# Allegro board F103_ADS1220_V10_240810.brd
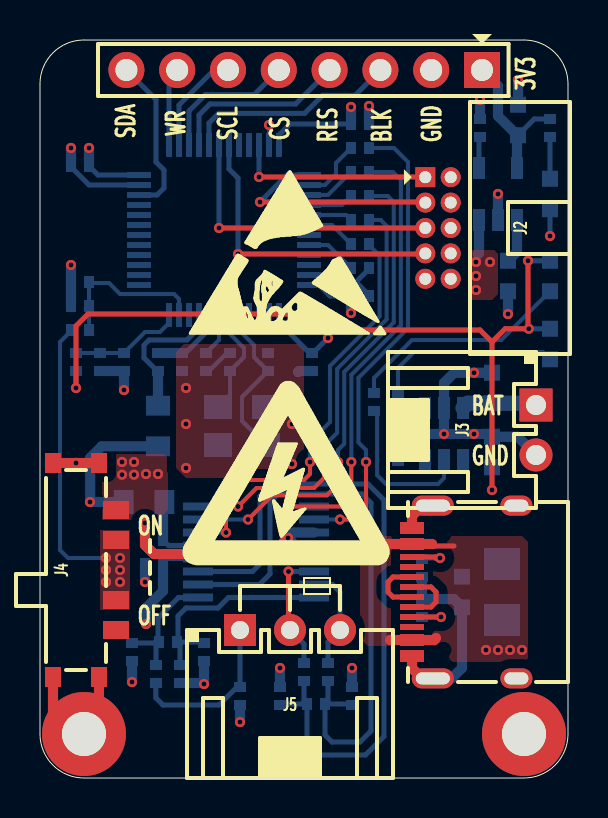
[diagram p0: board, top side]
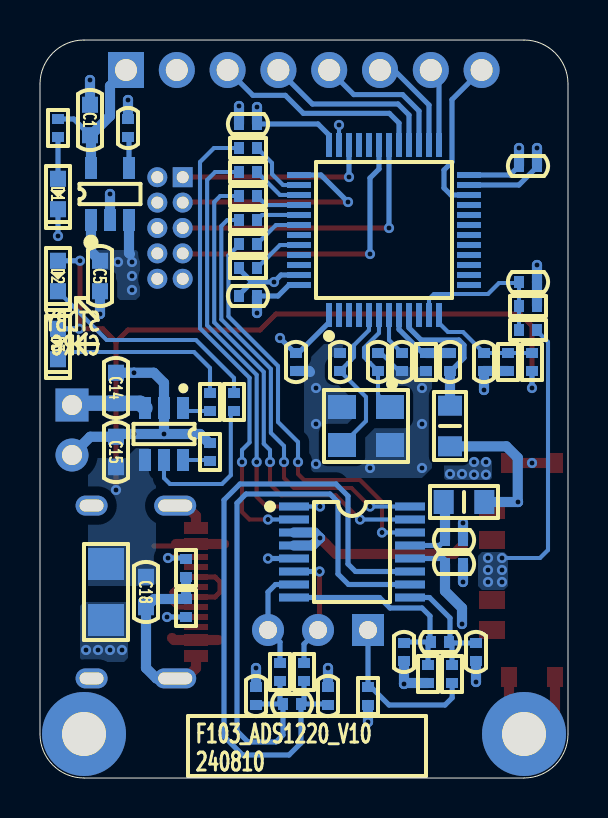
[diagram p1: board, bottom side, seen from below]

Outline 26.4 x 36.9 mm; copper layers: TOP, L02-GND, L03-VCC, BOTTOM. Coordinates in mm from the lower left corner of the outline.
Outline path: 0,34.7 arc(0.64,36.26) 2.2,36.9 24.2,36.9 arc(25.76,36.26) 26.4,34.7 26.4,2.2 arc(25.76,0.64) 24.2,0 2.2,0 arc(0.64,0.64) 0,2.2 0,34.7

## Design rules (mm)
constraint set DEFAULT: min track width 0.203, pair gap 0.203

## Placement (name value [footprint] x y rotation side)
C1  10uF_10V  [C0603]  23.9 32.9 270 bottom
C2  100nF_50V  [C0402]  16 32.7 0 bottom
C3  10nF_50V  [C0402]  22 32.5 90 bottom
C4  100nF_50V  [C0402]  2 30.6 180 bottom
C5  10uF_10V  [C0603]  23.4 25.1 90 bottom
C6  100nF_50V  [C0402]  2 24.8 180 bottom
C7  100nF_50V  [C0402]  16 24.1 0 bottom
C8  100nF_50V  [C0402]  13.6 20.8 270 bottom
C9  12pF_50V  [C0402]  11.4 20.8 270 bottom
C10  12pF_50V  [C0402]  9.5 20.8 270 bottom
C11  100nF_50V  [C0402]  8.3 20.8 90 bottom
C12  100nF_50V  [C0402]  5.9 20.8 90 bottom
C13  100nF_50V  [C0402]  4.2 20.8 270 bottom
C14  10uF_10V  [C0603]  22.6 19.5 90 bottom
C15  10uF_10V  [C0603]  22.6 16.3 90 bottom
C16  100nF_50V  [C0402]  5.7 11.9 0 bottom
C17  100nF_50V  [C0402]  5.7 10.7 0 bottom
C18  10uF_10V  [C0603]  21.1 9.3 90 bottom
C19  47nF_50V  [C0402]  6.4 6.8 180 bottom
C20  4.7nF_50V  [C0402]  8.2 6.3 90 bottom
C21  4.7nF_50V  [C0402]  4.6 6.3 270 bottom
C22  4.7nF_50V  [C0402]  15.6 4.1 90 bottom
C23  4.7nF_50V  [C0402]  12 4.1 270 bottom
C24  47nF_50V  [C0402]  13.8 3.7 0 bottom
D1  GREEN_0603/NI  [LED0603]  25.5 29.2 270 bottom
D2  GREEN_0603  [LED0603]  25.5 25.1 270 bottom
D3  GREEN_0603  [LED0603]  25.5 21.7 270 bottom
F1  JK-nSMD050-30  [FUSE1206]  23.1 9.3 270 bottom
J1  -  [CN1X8-2P54-Z]  22.1 35.4 180 top
J2  -  [DC3-10P-Z-L]  19.9 27.5 90 top
J3  -  [HX25035-2WA]  24.8 17.4 270 top
J4  -  [K3-1208S-E1]  1.8 10.4 270 top
J5  -  [HX25035-3WA]  12.5 7.4 0 top
L1  GZ2012D101TF  [L0805]  5.9 17.6 90 bottom
L2  GZ2012D101TF  [L0805]  5.2 13.8 180 bottom
MH1  HOLE-M2/NI  [HOLE4R20X2R20]  2.2 2.2 0 top
MH2  HOLE-M2/NI  [HOLE4R20X2R20]  24.2 2.2 0 top
NOREF  -  []  0 0 90 top
NOREF#2  -  []  0 0 0 top
R1  10K  [R0402]  25.5 32.5 90 bottom
R2  47R  [R0402]  16 31.5 0 bottom
R3  47R  [R0402]  16 30.3 0 bottom
R4  47R  [R0402]  16 29.1 0 bottom
R5  47R  [R0402]  16 27.9 0 bottom
R6  47R  [R0402]  16 26.7 0 bottom
R7  10K  [R0402]  16 25.5 180 bottom
R8  10K  [R0402]  2 23.6 0 bottom
R9  10K  [R0402]  2 22.4 180 bottom
R10  0R  [R0402]  7.1 20.8 90 bottom
R11  10K  [R0402]  3 20.8 90 bottom
R12  10K  [R0402]  1.8 20.8 270 bottom
R13  10K  [R0402]  17.9 18.8 90 bottom
R14  10K  [R0402]  16.7 18.8 90 bottom
R15  10K  [R0402]  17.9 16.3 270 bottom
R16  5.1K/NI  [R0402]  19.1 10.5 270 bottom
R17  5.1K  [R0402]  19.1 8.5 90 bottom
R18  6.04K  [R0402]  14.4 5.3 270 bottom
R19  6.04K  [R0402]  13.2 5.3 270 bottom
R20  4.99K  [R0402]  7 5.2 90 bottom
R21  4.99K  [R0402]  5.8 5.2 90 bottom
R22  1.62K  [R0402]  10 4.1 270 bottom
U1  SPX3819M5-L-1-2  [SOT23-5]  22.9 29.2 180 bottom
U2  STM32F103C8T6  [LQFP48-7X7X0R5]  9.2 27.4 180 bottom
U3  TP4057  [SOT23-6]  20.2 17.2 0 bottom
U4  ADS1220IPWR  [TSSOP16]  10.8 11.3 270 bottom
USB1  -  [TYPE-C-31-M-12]  18.6 9.3 90 top
X1  XL2EL89COI-111YLC-8M  [X-4P-3R2X2R5-SMD]  10.1 17.6 0 bottom

## Library data of the parts
C1-C8 C11-C24 = CAP NP
C9 C10 = CAP NP_2
D1-D3 = LED_1
F1 = FUSE
J1 = CONN RCPT 8
J2 = DC3-10P-Z-L
J3 = CONN RCPT 2
J4 = K3-1208S-E1
J5 = CONN RCPT 3
L1 L2 = IND_BEAD_0805_600OHM_200MA
MH1 MH2 = Hold_1
R1-R22 = R_Generic
U1 = SPX3819M5-L-1-2
U2 = STM32F103C8T6_1
U3 = TP4057
U4 = ADS1220IPWR
USB1 = TYPE-C_16P
X1 = TSX-3225

## Footprints (pads in the part's own frame, mm; a bottom-side part is the same pattern mirrored in y, then rotated)
C0402
  rect 0.5x0.6 smd: 1(-0.45,0) 2(0.45,0)
C0603
  rect 0.8x0.8 smd: 1(-0.762,0) 2(0.762,0)
CN1X8-2P54-Z
  rect 1.8x1.8 hole 1.1: 1(0,0)
  round 1.8 hole 1.1: 2(2.54,0) 3(5.08,0) 4(7.62,0) 5(10.16,0) 6(12.7,0) 7(15.24,0) 8(17.78,0)
DC3-10P-Z-L
  rect 1x1 hole 0.6: 1(2.54,0.635)
  round 1 hole 0.6: 2(2.54,-0.635) 3(1.27,0.635) 4(1.27,-0.635) 5(0,0.635) 6(0,-0.635) 7(-1.27,0.635) 8(-1.27,-0.635) 9(-2.54,0.635) 10(-2.54,-0.635)
FUSE1206
  rect 1.6x1.8 smd: 1(-1.4,0) 2(1.4,0)
HOLE4R20X2R20
  round 4.2 hole 2.2: 1(0,0)
HX25035-2WA
  rect 1.65x1.65 hole 1: 1(-1.25,0)
  round 1.65 hole 1: 2(1.25,0)
HX25035-3WA
  rect 1.6x1.6 hole 0.9: 1(-2.5,0)
  round 1.6 hole 0.9: 2(0,0) 3(2.5,0)
K3-1208S-E1
  rect 1x0.8 smd: 1(-5.35,1.15) 2(-5.35,-1.15) 3(5.35,-1.15) 4(5.35,1.15)
  rect 0.9x1.3 smd: 5(3,2) 6(1.5,2) 7(-1.5,2) 8(-3,2)
L0805
  rect 1x1.2 smd: 1(-1.016,0) 2(1.016,0)
LED0603
  rect 0.8x0.8 smd: 1(-0.762,0) 2(0.762,0)
LQFP48-7X7X0R5
  rect 0.3x1.2 smd: 1(-2.75,-4.25) 2(-2.25,-4.25) 3(-1.75,-4.25) 4(-1.25,-4.25) 5(-0.75,-4.25) 6(-0.25,-4.25) 7(0.25,-4.25) 8(0.75,-4.25) 9(1.25,-4.25) 10(1.75,-4.25) 11(2.25,-4.25) 12(2.75,-4.25) 25(2.75,4.25) 26(2.25,4.25) 27(1.75,4.25) 28(1.25,4.25) 29(0.75,4.25) 30(0.25,4.25) 31(-0.25,4.25) 32(-0.75,4.25) 33(-1.25,4.25) 34(-1.75,4.25) 35(-2.25,4.25) 36(-2.75,4.25)
  rect 1.2x0.3 smd: 13(4.25,-2.75) 14(4.25,-2.25) 15(4.25,-1.75) 16(4.25,-1.25) 17(4.25,-0.75) 18(4.25,-0.25) 19(4.25,0.25) 20(4.25,0.75) 21(4.25,1.25) 22(4.25,1.75) 23(4.25,2.25) 24(4.25,2.75) 37(-4.25,2.75) 38(-4.25,2.25) 39(-4.25,1.75) 40(-4.25,1.25) 41(-4.25,0.75) 42(-4.25,0.25) 43(-4.25,-0.25) 44(-4.25,-0.75) 45(-4.25,-1.25) 46(-4.25,-1.75) 47(-4.25,-2.25) 48(-4.25,-2.75)
R0402
  rect 0.5x0.6 smd: 1(-0.45,0) 2(0.45,0)
SOT23-5
  rect 0.6x1.1 smd: 1(-0.95,-1.3) 2(0,-1.3) 3(0.95,-1.3) 4(0.95,1.3) 5(-0.95,1.3)
SOT23-6
  rect 0.6x1.1 smd: 1(-0.95,-1.3) 2(0,-1.3) 3(0.95,-1.3) 4(0.95,1.3) 5(0,1.3) 6(-0.95,1.3)
TSSOP16
  rect 0.4x1.5 smd: 1(-2.275,-2.9) 2(-1.625,-2.9) 3(-0.975,-2.9) 4(-0.325,-2.9) 5(0.325,-2.9) 6(0.975,-2.9) 7(1.625,-2.9) 8(2.275,-2.9) 9(2.275,2.9) 10(1.625,2.9) 11(0.975,2.9) 12(0.325,2.9) 13(-0.325,2.9) 14(-0.975,2.9) 15(-1.625,2.9) 16(-2.275,2.9)
TYPE-C-31-M-12
  rect 0.6x1.2 smd: 1(-3.2,0) 2(-2.4,0) 11(2.4,0) 12(3.2,0)
  rect 0.3x1.2 smd: 3(-1.75,0) 4(-1.25,0) 5(-0.75,0) 6(-0.25,0) 7(0.25,0) 8(0.75,0) 9(1.25,0) 10(1.75,0)
  oval 1x2.1 hole 0.6x1.7: 13(-4.32,-1.04) 14(4.32,-1.04)
  oval 1x1.6 hole 0.6x1.2: 15(-4.32,-5.22) 16(4.32,-5.22)
X-4P-3R2X2R5-SMD
  rect 1.4x1.2 smd: 1(-1.2,-0.95) 2(1.2,-0.95) 3(1.2,0.95) 4(-1.2,0.95)

## Nets
DGND: C16.1 U4.3 U4.4
GND: C1.1 C2.2 C3.2 C4.2 C5.1 C6.2 C7.2 C8.2 C9.1 C10.1 C11.1 C13.2 C14.2 C15.2 C17.1 C18.1 C20.1 C21.2 C22.2 C23.1 D1.2(CATHODE) J1.2 J2.9 J3.2 J4.1 J4.2 J4.3 J4.4 MH1.1 MH2.1 R7.1 R8.1 R10.1 R11.1 R15.1 R16.2 R17.2 R20.1 R22.2 U1.2 U2.23 U2.35 U2.47(VSS_3) U3.2 U4.5 USB1.1 USB1.12 USB1.13 USB1.14 USB1.15 USB1.16 X1.2 X1.4
VCC_3.3V: C1.2 C2.1 C4.1 C7.1 C8.1 C17.2 J1.1 J2.10 L1.1 L2.2(B) R1.2 U1.5(VOUT) U2.1 U2.24 U2.36 U2.48 U4.12
VCC_3.3V_VDDA: C12.1 L1.2(B) U2.9
VCC_4V: C5.2 J4.8 U1.1 U1.3
VCC_5V_VBUS: C15.1 C18.2 D2.1 D3.1 F1.1 R12.2 U3.4(VCC)
VCC_BAT: C14.1 J3.1 J4.6 J4.7 R9.2 U3.3
VSSA: C12.2 R10.2 U2.8
AIN0: C23.2 C24.1 R19.2 U4.11
AIN1: C22.1 C24.2 R18.2 U4.10
AIN2: J5.2 R19.1 U4.6
AIN3: J5.3 R18.1 U4.7
BOOT0: R7.2 U2.44
NRST: C11.2 U2.7
OSC_IN: C9.2 U2.5 X1.3(OUT2)
OSC_OUT: C10.2 U2.6 X1.1
PA1/ADC_BAT: C6.1 R8.2 R9.1 U2.11
PA2/ADC_USB: C13.1 R11.2 R12.1 U2.12
PA8/BLK: J1.3 U2.29
PA9/USART1_TX: J2.5 U2.30
PA10/USART1_RX: J2.7 U2.31
PA15/SPI1_NSS: R2.1 U2.38
PB3/SPI1_SCK: R3.1 U2.39
PB4/SPI1_MISO: R4.1 U2.40
PB5/SPI1_MOSI: R5.1 U2.41
PB6/ADS1220_DRDY: R6.1 U2.42
PB11/SDA: J1.8 U2.22
PB12/WR: J1.7 U2.25
PB13/SCL: J1.6 U2.26
PB14/CS: J1.5 U2.27
PB15/RES: J1.4 U2.28
REFN0: C19.1 C20.2 R20.2 U4.8
REFP0: C19.2 C21.1 R21.2 U4.9
SWCLK: J2.3 U2.37
SWDIO: J2.1 U2.34
USB_DN: USB1.5 USB1.7
USB_DP: USB1.6 USB1.8
N18054253: D1.1 R1.1
N18110087: F1.2 USB1.2 USB1.11(VBUS2)
N18110258: R17.1 USB1.4
N18110376: R16.1 USB1.10
N18111067: D2.2(CATHODE) R14.2
N18112067: R15.2 U3.6
N18112248: D3.2(CATHODE) R13.2
N18112251: R13.1 U3.1
N18112260: R14.1 U3.5
N18113962: C3.1 U1.4
N18115566: R5.2 U4.16
N18115575: R4.2 U4.15
N18115587: R6.2 U4.14
N18115609: C16.2 L2.1 U4.13
N18116192: R2.2 U4.2
N18116209: R3.2 U4.1(SCLK)
N18118364: J5.1 R21.1 R22.1

Pads without a net: J2 2 4 6 8; J4 5; U2 2 3 4 10 13 14 15 16 17 18 19 20 21 32 33 43 45 46; USB1 3 9

## Via types
v1: diameter 0.508, hole 0.254, TOP to BOTTOM, 78 vias

## Routing (per net, layer and track width the routed paths; a pad name or vN(x,y) marks a point on that pad's centre or on a via; arc(x,y) is an arc through that point)
DGND: length 12.5
  TOP w0.508: v1(5.25,12.75) 5.25,11.65 5.7,11.2 11.6,11.2 v1(12.4,12)
  BOTTOM w0.508: C16.1 v1(5.25,12.75) ; U4.4 12.78,11.62 v1(12.4,12) 12.68,12.28 U4.3
GND: length 65.7
  TOP w0.508: J4.3 0.65,2.95 1.4,2.2 MH1.1 2.95,2.95 J4.4 ; USB1.13 19.11,4.98 18.6,5.49 USB1.1 ; USB1.14 19.11,13.62 18.6,13.11 USB1.12 ; J4.2 v1(1.8,15.75) J4.1
  BOTTOM w0.203: C11.1 8.45,20.35 9.35,21.25 C10.1 ; U2.35 v1(11.45,32.65)
  BOTTOM w0.254: U4.5 v1(15,10.97) ; C7.2 16.45,24.15 15.8,24.8 ; D1.2 v1(25.5,27.1) ; C4.2 1.55,30.55 2.45,29.65 U2.23 ; 15.8,24.8 v1(14.7,24.8) 14.35,25.15 U2.47 ; 15.8,24.8 16.45,25.45 R7.1
  BOTTOM w0.508: R22.2 v1(10,2.8) ; v1(20.2,17.2) v1(21.7,17.2) 22.46,17.2 C15.2 23.89,17.06 J3.2 ; v1(20.2,17.2) U3.2 20.2,19.75 20.71,20.26 v1(21.7,20.26) C14.2 ; v1(20.2,17.2) 18.4,17.2 17.95,16.75 R15.1 ; C23.1 v1(12,5.5) ; R8.1 C6.2 v1(1.55,25.65) ; C21.2 v1(4.6,4.8) ; R16.2 R17.2 20.69,8.95 C18.1 21.1,5.5 20.58,4.98 USB1.13 ; C17.1 v1(5.25,9.8) ; C20.1 v1(8.2,4.7) 8.15,4.75 R20.1 ; v1(4.2,19.4) C13.2 R11.1 ; C22.2 v1(15.6,5.5) ; U1.2 v1(22.9,29.2) ; C1.1 v1(23.9,34.9) ; C2.2 v1(16.45,33.6) ; C8.2 12.95,20.35 12.9,20.3 ; C4.2 v1(1.55,31.5) ; C3.2 v1(22,33.9) ; C5.1 v1(23.4,23.2)
  vias: v1(7.3,19.5) v1(7.3,17.7) v1(7.3,15.5) v1(9.9,15.5) v1(12.6,19.5) v1(12.6,17.7) v1(12.6,15.7)
VCC_3.3V: length 36.2
  BOTTOM w0.254: U2.1 11.95,22.78 13.48,21.25 C8.1 13.65,21.25 v1(14.4,22) ; C2.1 12.5,32.7 11.95,32.15 U2.36 ; C4.1 2.9,30.15 U2.24 ; R1.2 24.71,32.95 C1.2 ; U4.12 6.22,10.97 6.15,10.9 C17.2 ; C7.1 14.5,24.1 13.95,24.65 U2.48
  BOTTOM w0.508: J1.1 22.9,34.6 22.9,33.1 23.86,32.14 C1.2 23.85,32.09 U1.5 ; L2.2 v1(2.5,13.8) 2.51,13.81 2.51,16.01 3.08,16.58 L1.1 ; C17.2 6.15,9.35 5.3,8.5 v1(5.3,7.7) ; C4.1 v1(2.45,31.5) ; C7.1 v1(15.55,23.25) ; C2.1 v1(15.55,33.55)
VCC_3.3V_VDDA: length 7.1
  BOTTOM w0.254: C12.1 5.85,20.35 5.2,21 5.2,21.65 5.45,21.9 7.35,21.9 7.95,22.5 U2.9
  BOTTOM w0.508: L1.2 C12.1
VCC_4V: length 3.9
  BOTTOM w0.508: 21.9,26.2 21.95,26.25 U1.3 ; C5.2 23.4,25.87 23.85,26.32 U1.1
  vias: v1(4.1,15.8) v1(4.1,15.16) v1(4.7,15.8) v1(4.7,15.16) v1(5.3,15.2) v1(5.9,15.2) v1(21.8,25.8) v1(21.8,25.1) v1(21.8,24.4) v1(22.5,25.8)
VCC_5V_VBUS: length 40.7
  TOP w0.254: v1(1.8,19.5) 1.8,22.6 2.4,23.2 14.6,23.2 15.4,22.4 22,22.4 22.6,21.8 ; 22.6,21.8 v1(22.6,14.4) ; 22.6,21.8 23.26,22.46 v1(24.44,22.46) 24.4,22.5 v1(24.4,25.86)
  BOTTOM w0.254: D2.1 v1(24.4,25.86) ; R12.2 v1(1.8,19.5) ; D3.1 v1(24.44,22.46)
VCC_BAT: length 21.2
  L03-VCC w0.254: 26,17.2 26,14.9 25.9,14.8 ; 20.9,16.6 21,16.7 21,17.8
  BOTTOM w0.203: R9.2 1.55,22.35 1,21.8 1,11.4 1.4,11 v1(3.3,11)
  BOTTOM w0.762: U3.3 21.39,18.74 C14.1 24.71,18.74 J3.1
  vias: v1(3.3,10.4) v1(3.3,9.8) v1(4,11) v1(4,10.4) v1(4,9.8)
VSSA: length 3.8
  BOTTOM w0.254: R10.2 7.27,21.25 8.45,22.43 U2.8
  BOTTOM w0.508: C12.2 R10.2
AIN0: length 34.3
  BOTTOM w0.254: C24.1 12.15,3.7 12.1,3.65 C23.2 ; C24.1 13.35,1.75 13.95,1.15 16.27,1.15 17.2,2.08 17.2,13.9 16.4,14.7 11.6,14.7 11,14.1 11,10.7 10.62,10.32 7.9,10.32 ; C24.1 13.2,3.85 R19.2
AIN1: length 31
  BOTTOM w0.254: C22.1 15.5,3.65 15.45,3.7 C24.2 ; C24.2 14.4,3.85 R18.2 ; C24.2 14.25,2.15 14.6,1.8 16,1.8 16.55,2.35 16.55,13.75 16.1,14.2 11.9,14.2 11.5,13.8 11.5,10.2 10.97,9.68 U4.10
AIN2: length 6.2
  TOP w0.254: J5.2 12.43,7.47 v1(12.43,10.32)
  BOTTOM w0.254: R19.1 13.2,6.7 J5.2 ; 13.7,10.32 v1(12.43,10.32)
AIN3: length 5.3
  BOTTOM w0.254: U4.7 14.62,9.68 15,9.3 J5.3 14.4,6.8 R18.1
BOOT0: length 2.6
  BOTTOM w0.203: U2.44 14.4,26.65 R7.2
NRST: length 2.2
  BOTTOM w0.203: C11.2 8.95,21.9 U2.7
OSC_IN: length 8.1
  BOTTOM w0.203: U2.5 9.95,22.39 10.7,21.64 10.7,21.05 10.85,20.9 10.85,20.89 10.99,20.75 11,20.75 C9.2 10.1,19.05 10.1,17.85 X1.3
OSC_OUT: length 5.5
  BOTTOM w0.203: X1.1 9.5,19.15 C10.2 9.9,20.75 9.91,20.75 10.05,20.89 10.05,20.9 10.2,21.05 10.2,21.5 9.45,22.25 U2.6
PA1/ADC_BAT: length 8
  BOTTOM w0.203: U2.11 6.95,23.95 6.7,24.2 4,24.2 3.45,24.75 2.45,24.75 ; R9.1 R8.2 2.45,24.75 ; 2.45,24.75 C6.1
PA2/ADC_USB: length 5.7
  BOTTOM w0.203: U2.12 6.45,22.75 6,22.3 5.25,22.3 C13.1 R11.2 R12.1
PA8/BLK: length 10.8
  BOTTOM w0.254: U2.29 8.45,32.75 8.93,33.23 13.23,33.23 14.13,34.13 15.75,34.13 J1.3
PA9/USART1_TX: length 14.5
  TOP w0.254: v1(8.95,27.5) J2.5
  BOTTOM w0.254: U2.30 v1(8.95,27.5)
PA10/USART1_RX: length 15
  TOP w0.254: J2.7 19.23,26.2 v1(9.9,26.2)
  BOTTOM w0.254: v1(9.9,26.2) 9.9,30 9.45,30.45 U2.31
PA15/SPI1_NSS: length 3.2
  BOTTOM w0.203: R2.1 14.8,30.75 14.8,30.2 14.25,29.65 U2.38
PB3/SPI1_SCK: length 2.6
  BOTTOM w0.203: R3.1 14.4,29.15 U2.39
PB4/SPI1_MISO: length 2.3
  BOTTOM w0.203: R4.1 15.1,28.65 U2.40
PB5/SPI1_MOSI: length 2.2
  BOTTOM w0.203: U2.41 15.3,28.15 R5.1
PB6/ADS1220_DRDY: length 2.5
  BOTTOM w0.203: R6.1 14.6,27.65 U2.42
PB11/SDA: length 8.1
  BOTTOM w0.254: U2.22 5.85,29.15 6.2,29.5 6.2,30.4 5.8,30.8 5.8,33.92 J1.8
PB12/WR: length 3.9
  BOTTOM w0.254: U2.25 6.45,34.99 J1.7
PB13/SCL: length 5.2
  BOTTOM w0.254: J1.6 8.7,35.4 6.95,33.65 U2.26
PB14/CS: length 7
  BOTTOM w0.254: U2.27 7.45,33.35 8.27,34.17 10.71,34.17 J1.5
PB15/RES: length 9
  BOTTOM w0.254: U2.28 7.95,33.15 8.5,33.7 12.78,33.7 J1.4
REFN0: length 11.1
  BOTTOM w0.254: C19.1 6.9,6.85 6.9,8.1 7.3,8.5 8.9,8.5 9.43,9.03 U4.8 ; C19.1 7,6.65 R20.2 ; C19.1 8.05,6.8 8.1,6.75 C20.2
REFP0: length 6.2
  BOTTOM w0.254: C19.2 5.9,6.85 5.9,8 6.92,9.03 U4.9 ; C21.1 5.9,6.75 5.8,6.65 R21.2
  BOTTOM w0.508: 5.9,6.75 C19.2
SWCLK: length 11.3
  TOP w0.254: J2.3 19.23,28.8 v1(11,28.8)
  BOTTOM w0.254: v1(11,28.8) 12.35,30.15 U2.37
SWDIO: length 9.9
  TOP w0.254: J2.1 19.25,30.05 v1(10.95,30.05)
  BOTTOM w0.254: U2.34 v1(10.95,30.05)
USB_DN: length 3.1
  TOP w0.254: USB1.5 19.55,8.55 19.8,8.8 19.8,9.3 19.55,9.55 USB1.7
USB_DP: length 3.1
  TOP w0.254: USB1.8 17.65,10.05 17.4,9.8 17.4,9.3 17.65,9.05 USB1.6
N18054253: length 2.1
  BOTTOM w0.254: R1.1 D1.1
N18110087: length 5.9
  TOP w0.254: 20.7,11.6 19.7,11.6 19.6,11.7
  TOP w0.508: 19.8,7 19.7,6.9 USB1.2 17.5,6.9 ; 19.6,11.7 USB1.11 17.2,11.7
  vias: v1(22.3,6.4) v1(22.9,6.4) v1(23.5,6.4) v1(24.1,6.4)
N18110258: length 2.4
  TOP w0.254: v1(20.05,8.05) USB1.4
  BOTTOM w0.254: v1(20.05,8.05) R17.1
N18110376: length 2.3
  TOP w0.254: USB1.10 19.75,11.05 19.8,11 v1(20,11)
  BOTTOM w0.254: v1(20,11) 19.15,11 R16.1
N18111067: length 11.3
  BOTTOM w0.203: D2.2 23.06,21.9 18.6,21.9 16.7,20 R14.2
N18112067: length 1.4
  BOTTOM w0.203: U3.6 17.95,15.9 R15.2
N18112248: length 9.3
  BOTTOM w0.203: R13.2 17.9,20.5 18.7,21.3 25.14,21.3 D3.2
N18112251: length 1.4
  BOTTOM w0.203: U3.1 19.1,18.35 R13.1
N18112260: length 7.8
  BOTTOM w0.203: R14.1 16.86,18.19 16.86,15.14 17.3,14.7 19.9,14.7 20.2,15 U3.5
N18113962: length 1.6
  BOTTOM w0.254: U1.4 21.95,32 C3.1
N18115566: length 21.8
  TOP w0.203: v1(14.2,15.8) 14.2,15 13.7,14.5 10.82,14.5 v1(9.9,13.57)
  BOTTOM w0.203: U4.16 v1(9.9,13.57) ; v1(14.2,15.8) 14.2,16.6 14.86,17.26 14.86,20.45 17.33,22.93 17.33,27.6 17.03,27.9 R5.2
N18115575: length 24.4
  TOP w0.203: v1(14.9,15.8) 14.9,14.7 14.33,14.13 11.61,14.13 v1(10.4,12.93)
  BOTTOM w0.203: R4.2 17.39,29.1 17.69,28.8 17.69,22.78 15.21,20.31 15.21,16.71 14.9,16.4 v1(14.9,15.8) ; U4.15 v1(10.4,12.93)
N18115587: length 20.9
  TOP w0.203: v1(9.3,12.28) 9.3,13.8 10.4,14.9 13.2,14.9 13.5,15.2 v1(13.5,15.8)
  BOTTOM w0.203: v1(13.5,15.8) 13.5,16.8 14.5,17.8 14.5,20.6 16.98,23.08 16.98,26.12 16.45,26.65 R6.2 ; U4.14 v1(9.3,12.28)
N18115609: length 3.8
  BOTTOM w0.254: U4.13 6.42,11.62 C16.2
  BOTTOM w0.508: L2.1 6.15,13.73 C16.2
N18116192: length 23.7
  TOP w0.203: v1(16.3,15.8) 16.3,13.3 15.93,12.93 v1(15,12.93)
  BOTTOM w0.203: U4.2 v1(15,12.93) ; R2.2 17.7,31.5 18.4,30.8 18.4,22.49 15.92,20.01 15.92,16.78 16.3,16.4 v1(16.3,15.8)
N18116209: length 23.3
  TOP w0.203: v1(12.4,13.57) 15.07,13.57 15.57,14.07 v1(15.57,15.8)
  BOTTOM w0.203: U4.1 v1(12.4,13.57) ; R3.2 17.64,30.3 18.04,29.9 18.04,22.64 15.57,20.16 v1(15.57,15.8)
N18118364: length 8.3
  BOTTOM w0.254: J5.1 R22.1 9.85,4.55 8.95,3.65 6.15,3.65 5.79,4.01 5.79,4.74 R21.1

## Copper pours and planes (outline as drawn; the poured copper is in the pictures)
GND on TOP, BOTTOM: 7.2,21.7 12.9,21.7 13.2,21.4 13.2,15.3 12.9,15 7.3,15 6.8,15.5 6.8,21.3
GND on L02-GND: 26.1,2.2 25.54,0.86 24.2,0.3 2.2,0.3 0.86,0.86 0.3,2.2 0.3,34.7 0.86,36.04 2.2,36.6 24.2,36.6 25.54,36.04 26.1,34.7
VCC_3.3V on L03-VCC: 26.1,2.2 25.54,0.86 24.2,0.3 2.2,0.3 0.86,0.86 0.3,2.2 0.3,34.7 0.86,36.04 2.2,36.6 24.2,36.6 25.54,36.04 26.1,34.7
VCC_4V on TOP: 3.1,12.9 3.1,15.9 3.4,16.2 6.2,16.2 6.4,16 6.4,13.4 5.9,12.9
VCC_4V on TOP: 21.6,26.4 22.7,26.4 22.9,26.2 22.9,24.2 22.6,23.9 21.6,23.9 21.4,24.1 21.4,26.2
VCC_4V on BOTTOM: 23.9,26.4 21.6,26.4 21.4,26.2 21.4,24.1 21.6,23.9 22.4,23.9 22.6,24.1 22.6,25.2 22.8,25.4 23.9,25.4
VCC_4V on BOTTOM: 6.2,16 6.2,15 6.1,14.9 3.9,14.9 3.8,15 3.8,15.9 4,16.1 6.1,16.1
VCC_4V on L03-VCC: 21.5,26.5 22.6,26.5 22.9,26.2 22.9,23.9 18.7,19.7 7.2,19.7 6.3,18.8 6.3,15 6.1,14.8 3,14.8 2.7,15.1 2.7,21.1 3.1,21.5 18.7,21.5 21.3,24.1 21.3,26.3
VCC_5V_VBUS on BOTTOM: 20.6,9.6 24,9.6 24,15.8 23.8,16 22.1,16 21.6,16.5 20.8,16.5 20.6,16.3
VCC_BAT on TOP: 3,12.4 3,8.4 4.5,8.4 4.5,12.4
VCC_BAT on BOTTOM: 3.2,11.3 4.3,11.3 4.5,11.1 4.5,9.6 4.3,9.4 3.2,9.4 3,9.6 3,11.1
VCC_BAT on L03-VCC: 3,11.1 3,9 3.3,8.7 25.6,8.7 26.1,9.2 26.1,19.6 26,19.7 24,19.7 23,18.7 21.1,18.7 20.5,18.1 20.5,12.7 19.1,11.3 3.2,11.3
N18110087 on TOP: 16.4,12.1 24.1,12.1 24.4,11.8 24.4,6 24.2,5.8 20,5.8 19.2,6.6 16.4,6.6 16,7 16,11.7
N18110087 on BOTTOM: 22.1,8.8 24.2,8.8 24.4,8.6 24.4,6 24.2,5.8 22.2,5.8 22,6 22,8.7

## Text on the board
Ref Des/Silkscreen Bottom: STDBY | CHRG | F103_ADS1220_V10 | 240810
Ref Des/Silkscreen Top: ON | OFF | BAT | GND | SDA | WR | SCL | CS | RES | BLK | 3V3
DIMENSION: FIGURE | FINISHED_SIZE | 0.254 | 0.6 | 0.9 | 1.0 | 1.1 | 2.2 | 1.2x0.6 | 1.7x0.6 | DRILL CHART: TOP to BOTTOM | ALL UNITS ARE IN MILLIMETERS | DRILLED_SIZE | - | PLATED | QTY | 78 | 10 | 3 | 2 | 8 | 107 | TOTAL HOLES:
